# Altium PCB PCB_Incense.PcbDoc (part 3 of 3)
Units mil, origin at the board's own origin, x right, y up, seen from the top; angles counter-clockwise.
Board outline 5905.51 x 4960.63 mil, 2 copper layers (Top Layer, Bottom Layer), stack 61.89 mil thick; 323 components, 237 nets, 1107 pads, 546 vias.
Unrouted connection lines stored in the file: 3.
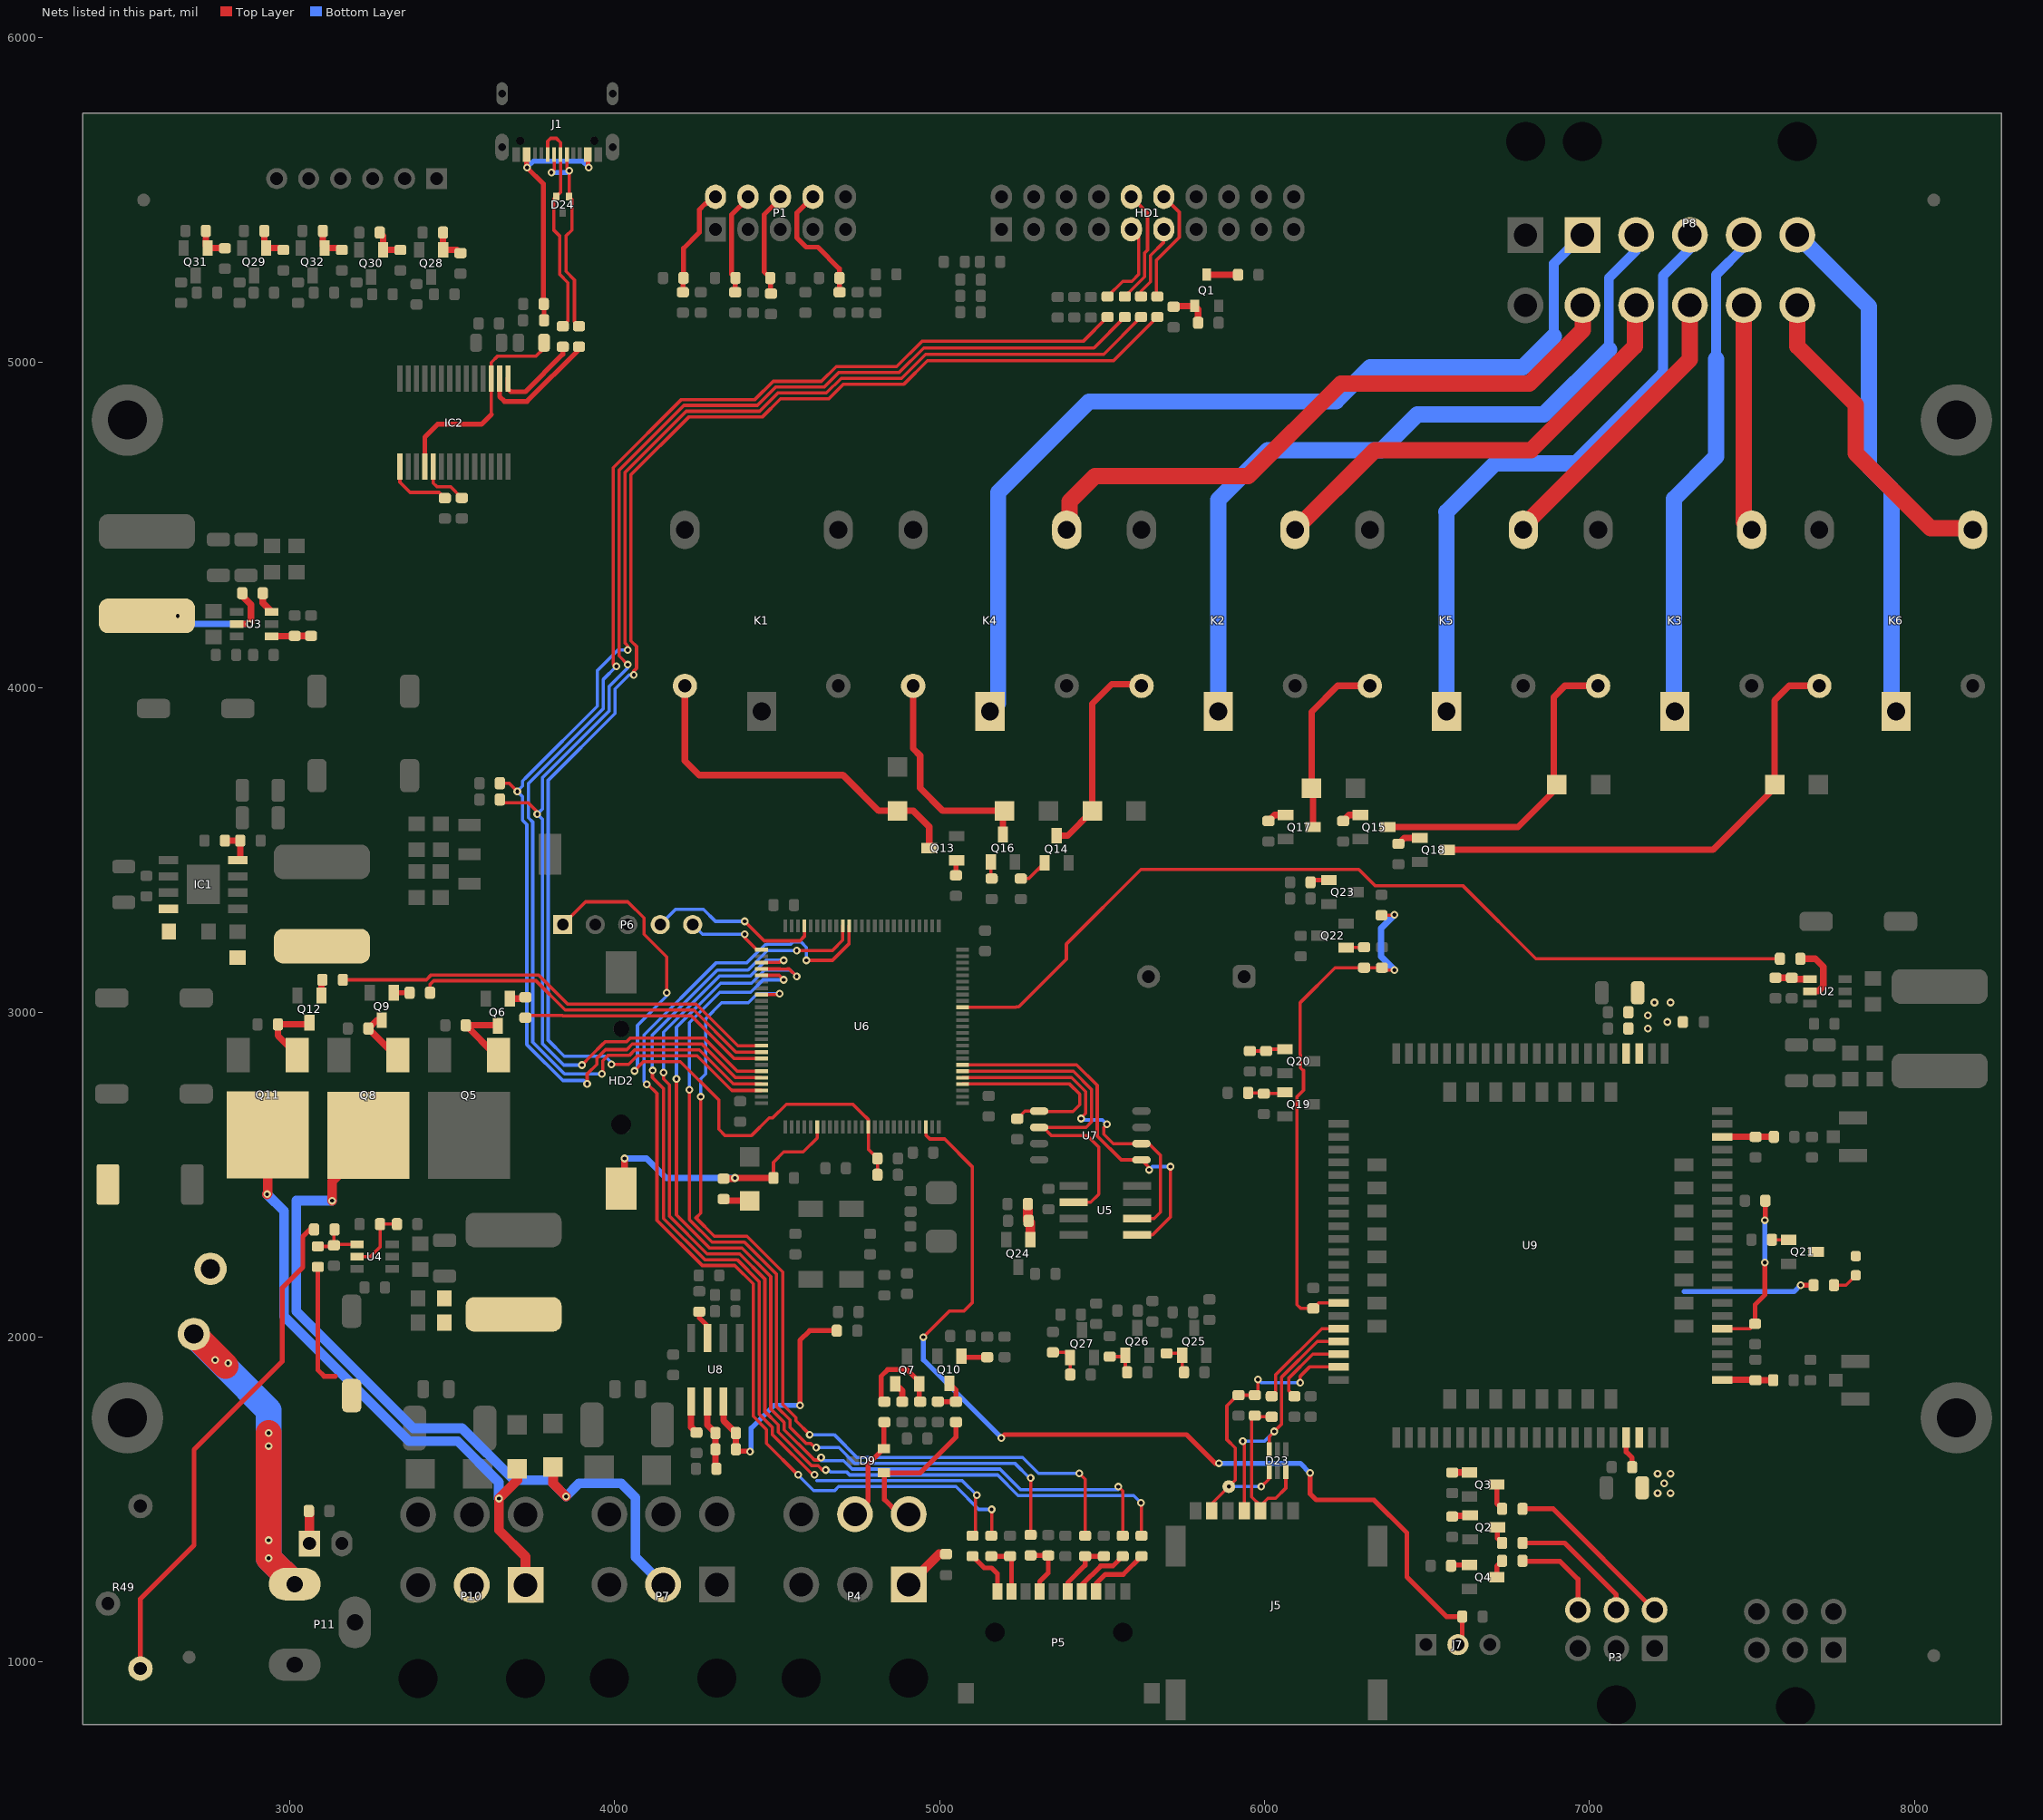
[diagram p3: the nets of this part, all layers, seen from the top]

## Via types
v1: diameter 24, hole 12, Top Layer to Bottom Layer, tented both sides, 546 vias

## Nets (pads, with @x,y where several pads share a name; then routed paths per layer and width w, separated by ;. In a path a pad name is that pad's centre, name@x,y a point inside that pad or via, vN(x,y) a via of type N, cw(c..) or ccw(c..) an arc to the next point about the centre after c; other vN are vias at no path point) (continued)
NetC83_1: C83.1 R124.2 R125.2 U8.7 | length 788
  Top Layer w15: C83.1@4372.99,1655 4378.37,1649.63 4414.43,1649.63 v1(4416.16,1647.91) ; v1(4570,1790) 4570,1990 4600,2020 R125.2@4683.51,2020
  Top Layer w20: U8.7@4335,1802.56 4335,1742.99 R124.2@4372.99,1705 C83.1@4372.99,1655
  Bottom Layer w15: v1(4416.16,1647.91) 4420,1651.75 4420,1720 4490,1790 v1(4570,1790)
NetC83_2: C83.2 R123.1 R124.1 U8.6 | length 219.2
  Top Layer w20: U8.6@4285,1802.56 4285,1730 R124.1@4310,1705 C83.2@4310,1655 4310,1597.99 R123.1@4312.99,1595
NetC89_1: C89.1 U3.6 | length 69
  Top Layer w20: C89.1@2916.5,4290 2916.5,4260.04 U3.6@2944.13,4232.4
NetC89_2: C89.2 L8.1 U3.2 | length 377.5
  Top Layer w20: U3.2@2835.87,4195 v1(2875,4195) 2880,4200 2880,4255 2853.51,4281.49 C89.2@2853.51,4290
  Bottom Layer w20: v1(2655,4220) 2680,4195 v1(2875,4195)
NetD1_1: D1.1 F1.2
NetD3_1: D3.1 R79.1 | length 100.9
  Top Layer w30: R79.1@3058.5,1465 cw(c3058.5,1463.5) 3060,1463.5 D3.1@3060,1365
NetD4_2: D4.2 R137.2 | length 82.1
  Top Layer w20: R137.2@4335,2425 4340,2420 D4.2@4415,2420
NetD13_1: D13.1 K1.5 Q13.3 | length 1132.9
  Top Layer w20: K1.5@4215.79,4004.68 4215.79,3774.21 4260,3730 4702.53,3730 4812.53,3620 D13.1@4870,3620 4918.99,3620 4967.99,3571.01 Q13.3@4967.99,3505
NetD14_1: D14.1 K2.5 Q14.3 | length 649.8
  Top Layer w20: Q14.3@5360,3544.02 5394.02,3544.02 D14.1@5470,3620 5470,3950 5530,4010 5615.98,4010 K2.5@5621.3,4004.68
NetD15_1: D15.1 K3.5 Q15.3 | length 1006
  Top Layer w20: Q15.3@6379.02,3570 6780,3570 6900,3690 D15.1@6900,3700 6890,3710 6890,3970 6924.69,4004.68 K3.5@7026.81,4004.68
NetD19_1: D19.1 K4.5 Q16.3 | length 687.6
  Top Layer w20: K4.5@4918.54,4004.68 4918.54,3811.46 4940,3790 4940,3690 5010,3620 D19.1@5200,3620 5195,3615 Q16.3@5195,3547.01
NetD20_1: D20.1 K5.5 Q17.3 | length 568.7
  Top Layer w20: Q17.3@6149.02,3570 6149.02,3685.98 D20.1@6145,3690 6145,3925 6224.69,4004.68 K5.5@6324.06,4004.68
NetD21_1: D21.1 K6.5 Q18.3 | length 1512.8
  Top Layer w20: Q18.3@6562.01,3500 7380,3500 7570,3690 D21.1@7570,3700 7570,3960 7614.69,4004.68 K6.5@7707.56,4004.68
NetD22_1: D22.1 R95.1 | length 79.6
  Top Layer w10: R95.1@7752.99,2160 7789.53,2160 D22.1@7820,2190.47
NetD22_2: D22.2 Q21.3
NetD23_3: D23.3 J5.C7 R97.2 R100.2 | length 512.2
  Top Layer w10: J5.C7@5987.64,1465.08 J5.C7@5987.64,1480.83 ; R100.2@6022.08,1754.98 5973.53,1754.98 R97.2@5970,1758.51 5960,1748.51 5960,1508.47 J5.C7@5987.64,1480.83 ; D23.3@6065.59,1584.57 6065.59,1535.59 6034.03,1504.03 6010.83,1504.03 J5.C7@5987.64,1480.83
NetF1_1: F1.1 P11.1 | length 1534.6
  Top Layer w80: F1.1@2704.41,2009.61 v1@2802.01,1912.01 ; v1(2935,1705) v1(2935,1375) v1(2935,1320) P11.1@3015,1240
  Bottom Layer w80: F1.1@2704.41,2009.61 2704.19,2009.39 2704.19,2005.81 2800,1910 2935,1775 v1(2935,1375) v1(2935,1320) P11.1@3015,1240
  other v1: 2935,1665 2810,1920 2770,1930
NetIC1_4: IC1.4 R1.1 R2.1 | length 109.8
  Top Layer w20: R2.1@2800.12,3528.31 R1.1@2847.12,3528.31 2847.12,3475.04 IC1.4@2840.39,3468.31
NetIC2_1: IC2.1 R17.2 | length 206.4
  Top Layer w10: IC2.1@3338.66,4679.14 3338.66,4631.34 3370,4600 3459.53,4600 R17.2@3477.05,4582.48
NetIC2_5: IC2.5 R24.2 | length 157.5
  Top Layer w10: IC2.5@3441.02,4679.14 3441.02,4628.98 3452,4618 3494.36,4618 R24.2@3529.32,4583.04
NetJ7_2: J7.2 R15.1 U6.23 | length 3092.6
  Top Layer w10: v1(4950,2000) 5031,2081 5075.09,2081 5100,2105.91 5100,2525 5015,2610 4970,2610 4957.68,2622.32 U6.23@4957.68,2646.61
  Top Layer w15: v1(5190,1690) 5200,1700 5760,1700 5848,1612 v1(5860,1612) ; v1(6140,1582) 6140,1518.5 6159.25,1499.25 6336.7,1499.25 6437.98,1397.98 6437.98,1262.02 6560,1140 R15.1@6608.5,1140 6608.5,1066.67 J7.2@6595.42,1053.58
  Bottom Layer w15: v1(4950,2000) 4950,1930 v1(5190,1690) ; v1(5860,1612) 6110,1612 v1(6140,1582)
NetL5_2: L5.2 P4.1 | length 154.1
  Top Layer w30: P4.1@4904.8,1238.5 4998.78,1332.48 L5.2@5020,1332.48
NetP3_4: P3.4 R39.1 | length 535.3
  Top Layer w15: R39.1@6794.25,1471.65 6888.35,1471.65 7199.44,1160.56 P3.4@7200.73,1160.56
NetP3_5: P3.5 R40.1 | length 401.2
  Top Layer w15: R40.1@6794.25,1366.65 6923.35,1366.65 7082.62,1207.38 P3.5@7082.62,1160.56
NetP3_6: P3.6 R41.1 | length 288.5
  Top Layer w15: R41.1@6794.25,1311.65 6795.91,1310 6910,1310 6964.51,1255.49 P3.6@6964.51,1160.56
NetQ1_1: Q1.1 R25.1 R26.1 | length 122
  Top Layer w20: R25.1@5720,5171.5 5722.48,5173.98 Q1.1@5784.65,5173.98 5795.55,5163.07 R26.1@5795.55,5122.2
NetQ1_3: Q1.3 R19.2 | length 96.6
  Top Layer w20: Q1.3@5822.05,5270.43 5822.48,5270 R19.2@5918.51,5270
NetQ2_1: Q2.1 R42.1 | length 57.5
  Top Layer w15: R42.1@6574.25,1451.65 R42.1@6577.75,1451.65
  Top Layer w20: R42.1@6577.75,1448.15 6579.5,1449.9 Q2.1@6631,1449.9
NetQ2_3: Q2.3 R40.2 | length 54
  Top Layer w15: Q2.3@6716.75,1414.65 6716.75,1381.16 R40.2@6731.26,1366.65
NetQ3_1: Q3.1 R43.1 | length 53.2
  Top Layer w20: R43.1@6577.75,1583.15 6578.26,1583.65 Q3.1@6630.76,1583.65
NetQ3_3: Q3.3 R39.2 | length 81.8
  Top Layer w15: Q3.3@6714.76,1546.65 6714.76,1488.15 R39.2@6731.26,1471.65
NetQ4_1: Q4.1 R44.1 | length 54.5
  Top Layer w15: R44.1@6576.25,1298.65 Q4.1@6630.76,1298.65
NetQ4_3: Q4.3 R41.2 | length 56.8
  Top Layer w15: Q4.3@6714.76,1261.65 6714.76,1295.16 R41.2@6731.26,1311.65
NetQ5_1: Q5.1 Q6.3 R45.2 | length 238.4
  Top Layer w20: Q6.3@3640,2957.99 3637.99,2960 R45.2@3541.49,2960 3633.78,2867.72 Q5.1@3642.28,2867.72
NetQ6_1: Q6.1 R50.1 | length 49.9
  Top Layer w20: Q6.1@3677,3041.99 3720.49,3041.99 R50.1@3725,3046.5
NetQ7_1: Q7.1 R52.2 | length 64.1
  Top Layer w20: Q7.1@4862.92,1856.65 4884.93,1834.65 R52.2@4884.93,1801.62
NetQ7_2: Q7.2 R54.2 R59.1 | length 286
  Top Layer w15: R59.1@4830,1801.5 4820,1811.5 4820,1880 4840,1900 4900.01,1900 4936.92,1863.09 Q7.2@4936.92,1856.65 4936.92,1804.57 R54.2@4940,1801.49
NetQ8_1: Q8.1 Q9.3 R57.2 | length 177.1
  Top Layer w20: Q9.3@3283,2976 3267.49,2976 R57.2@3241.49,2950 3323.78,2867.72 Q8.1@3332.28,2867.72
NetQ9_1: Q9.1 R61.1 | length 48.5
  Top Layer w15: Q9.1@3320,3060 R61.1@3368.5,3060
NetQ10_1: Q10.1 R56.2 | length 80.7
  Top Layer w15: Q10.1@5067,1941.99 5070.53,1938.45 R56.2@5146.22,1938.45
NetQ10_3: Q10.3 R58.2 R60.1 | length 120.3
  Top Layer w15: R58.2@4994.54,1801.62 5049.88,1801.62 R60.1@5050,1801.5 5050,1837.99 Q10.3@5030,1857.99
NetQ11_1: Q11.1 Q12.3 R62.2 | length 217.4
  Top Layer w20: Q11.1@3022.28,2868.78 2963.23,2927.84 R62.2@2963.23,2962.72 3054.73,2962.72 Q12.3@3060,2967.99
NetQ12_1: Q12.1 R63.1 | length 49.3
  Top Layer w20: Q12.1@3097,3051.99 3097,3097 R63.1@3100,3100
NetQ13_1: Q13.1 R76.1 | length 47.3
  Top Layer w15: R76.1@5050,3421.5 5050,3466.01 Q13.1@5051.99,3468
NetQ14_1: Q14.1 R77.1 | length 93.1
  Top Layer w10: R77.1@5250,3411.5 5274.48,3411.5 Q14.1@5323,3460.02
NetQ15_1: Q15.1 R78.1 | length 60.6
  Top Layer w20: R78.1@6242.01,3588.74 6260.27,3607 Q15.1@6295.02,3607
NetQ16_1: Q16.1 R87.1 | length 52.3
  Top Layer w10: Q16.1@5158,3463.01 5158,3413.5 R87.1@5160,3411.5
NetQ17_1: Q17.1 R88.1 | length 60.6
  Top Layer w20: R88.1@6012.01,3588.74 6030.27,3607 Q17.1@6065.02,3607
NetQ18_1: Q18.1 R89.1 | length 73.6
  Top Layer w20: R89.1@6412.01,3518.74 6430.27,3537 Q18.1@6478.01,3537
NetQ19_1: Q19.1 R91.1 R92.1 | length 117.8
  Top Layer w10: R91.1@5947.64,2749.77 R91.1@5949.56,2749.77 ; R91.1@5949.56,2752.19 5995.23,2752.19 R92.1@5997.64,2749.77 6058.73,2749.77 Q19.1@6062.76,2753.81
NetQ20_1: Q20.1 R93.1 R94.1 | length 110.3
  Top Layer w10: R93.1@5954.92,2880.87 R94.1@6004.92,2880.87 6010.42,2886.37 Q20.1@6062.93,2886.37
NetQ21_1: Q21.1 R96.1 | length 52
  Top Layer w10: R96.1@7561.5,2300 7613.2,2300 Q21.1@7613.4,2299.8
NetQ22_1: Q22.1 R101.2 | length 55.6
  Top Layer w10: Q22.1@6251.38,3198.74 6252.87,3200.23 R101.2@6306.38,3200.23
NetQ23_1: Q23.1 R104.2 | length 59.4
  Top Layer w15: R104.2@6141.49,3400 6148.49,3407 Q23.1@6198.01,3407
NetQ24_1: Q24.1 R116.1 R117.1 | length 113.1
  Top Layer w30: R116.1@5271.5,2410 5271.5,2360.01 R117.1@5273.5,2358.01 5279,2352.51 Q24.1@5279,2300
NetQ25_1: Q25.1 R10.1 R18.2 | length 105.6
  Top Layer w10: R10.1@5698.5,1950.25 5741.01,1950.25 Q25.1@5746.5,1944.76 5746.5,1897.26 R18.2@5752.01,1891.75
NetQ26_1: Q26.1 R11.1 R20.2 | length 105.2
  Top Layer w10: R11.1@5523.5,1940.25 5566.99,1940.25 Q26.1@5571.5,1944.76 5571.5,1897.26 R20.2@5577.01,1891.75
NetQ27_1: Q27.1 R23.1 R27.2 | length 112.6
  Top Layer w10: R23.1@5348.5,1953.24 5386.01,1953.24 Q27.1@5401.5,1937.75 5401.5,1885.25 R27.2@5402.01,1884.74
NetQ28_1: Q28.1 R31.1 R65.2 | length 110.6
  Top Layer w20: R65.2@3471.49,5400 3471.49,5347.5 Q28.1@3472,5346.99 3514.51,5346.99 R31.1@3525,5336.5
NetQ29_1: Q29.1 R64.1 R66.2 | length 110.6
  Top Layer w20: R66.2@2921.49,5405 2921.49,5357.5 Q29.1@2927,5351.99 2974.51,5351.99 R64.1@2980,5346.5
NetQ30_1: Q30.1 R69.1 R70.2 | length 110.6
  Top Layer w20: R70.2@3276.49,5400 3287,5389.49 Q30.1@3287,5346.99 3339.51,5346.99 R69.1@3340,5346.5
NetQ31_1: Q31.1 R71.1 R72.2 | length 108.5
  Top Layer w20: R72.2@2741.49,5405 2741.49,5357.5 Q31.1@2747,5351.99 2799.51,5351.99 R71.1@2800,5351.5
NetQ32_1: Q32.1 R74.1 R75.2 | length 110.6
  Top Layer w20: R75.2@3101.49,5405 3101.49,5357.5 Q32.1@3107,5351.99 3154.51,5351.99 R74.1@3160,5346.5
NetR3_1: R3.1 R4.1 U2.4 | length 107.6
  Top Layer w20: R3.1@7572.79,3106.1 R4.1@7622.79,3106.1 7626.89,3102.01 U2.4@7678.66,3102.01
NetR5_1: R5.1 U2.5 | length 188.6
  Top Layer w20: R5.1@7649.29,3164.61 7695.39,3164.61 7720,3140 7720,3080 7704.61,3064.61 U2.5@7678.66,3064.61
NetR5_2: R5.2 U6.41 | length 2833
  Top Layer w10: U6.41@5070.47,3015.32 5234.32,3015.32 5236.01,3017 5243.33,3017 5390,3163.67 5390,3210 5620,3440 6290,3440 6340,3390 6610,3390 6835.39,3164.61 R5.2@7586.3,3164.61
NetR46_1: R46.1 R51.1 U4.5 | length 205.3
  Top Layer w10: U4.5@3206.85,2247.99 3247.99,2247.99 3277.48,2277.48 R51.1@3277.48,2347.91 R46.1@3329.49,2347.91
NetR47_1: R47.1 R48.1 R53.1 U4.4 | length 172.5
  Top Layer w10: R47.1@3085.99,2279.41 3132.48,2279.41 R53.1@3135.99,2282.91 ; R48.1@3137.48,2331.41 3135.99,2329.91 R53.1@3135.99,2282.91 ; U4.4@3206.85,2285.39 3138.47,2285.39 R53.1@3135.99,2282.91
NetR48_2: R48.2 R49.2 | length 1580.5
  Top Layer w15: R49.2@2540,980 2540,1195 2705,1360 2705,1653.71 2977,1925.71 2977,2152 3040,2215 3040,2310 3061.41,2331.41 R48.2@3074.49,2331.41
NetR50_2: R50.2 U6.93 | length 783.7
  Top Layer w10: R50.2@3725,2983.51 3731.49,2990 3830,2990 3839.09,2990 3840.09,2989 4236,2989 4367.21,2857.79 4451.14,2857.79 U6.93@4451.18,2857.83
NetR61_2: R61.2 U6.92 | length 1141.2
  Top Layer w10: R61.2@3431.49,3060 3431.49,3086.04 3442.46,3097 3757.54,3097 3844.54,3010 3847.54,3007 4243.46,3007 4372.94,2877.52 U6.92@4451.18,2877.52
NetR63_2: R63.2 U6.91 | length 1384.6
  Top Layer w10: R63.2@3162.99,3100 3420,3100 3435,3115 3765,3115 3855,3025 4250.91,3025 4378.71,2897.2 U6.91@4451.18,2897.2
NetR122_1: R122.1 U8.3 | length 91.4
  Top Layer w15: R122.1@4260,2078.5 4260,2060 4285,2035 U8.3@4285,1997.44
NetR126_1: R126.1 U8.5 | length 102.9
  Top Layer w20: U8.5@4235,1802.56 4235,1722.99 R126.1@4251.49,1706.5
NetR129_1: R129.1 R130.1 U3.4 | length 121.2
  Top Layer w20: U3.4@2944.13,4157.6 3014.1,4157.6 R130.1@3015,4158.5 R129.1@3065,4158.5
NetR135_1: R135.1 U6.98 | length 4434.5
  Top Layer w10: v1(3990,2840) 4043.03,2840 4069.03,2866 4253.09,2866 4356.31,2762.78 4356.76,2762.78 4358.45,2761.09 4358.91,2761.09 4360.59,2759.41 U6.98@4451.18,2759.41 ; v1(4058.5,4038.27) 4058.5,4050.32 4067,4058.82 4067,4126.18 4050,4143.18 4050,4654.47 4227.51,4831.98 4453.81,4831.98 4509.82,4888 4658.91,4888 4704.33,4933.42 4890.25,4933.42 4962.25,5005.42 5535.43,5005.42 R135.1@5670,5140
  Bottom Layer w10: v1(3990,2840) 3990,2845 3970,2865 3844.29,2865 3795,2914.29 3795,3714.09 4001,3920.09 4001,3995.54 4043.73,4038.27 v1(4058.5,4038.27)
NetR136_1: R136.1 U6.97 | length 4456
  Top Layer w10: v1(3960,2810) 3965.91,2815.91 3963,2818.82 3963,2851.18 3978.82,2867 4044.57,2867 4061.57,2884 4260.54,2884 4363.76,2780.78 4364.22,2780.78 4365.91,2779.09 U6.97@4451.18,2779.09 ; v1(4005,4065) 4005,4063.15 4005.86,4062.29 4004.29,4060.71 3995,4070 3995,4675.84 4205.14,4885.98 4431.44,4885.98 4487.46,4942 4636.03,4942 4681.46,4987.42 4867.88,4987.42 4945.46,5065 5441.67,5065 R136.1@5516.67,5140
  Bottom Layer w10: v1(3960,2810) 3845.46,2810 3747.46,2907.99 3747.46,3585.64 3734.28,3598.82 3734.28,3621.19 3734.28,3704.28 3965,3935 3965,4025 v1(4005,4065)
RELAY1_1: K4.3 P8.6 | length 1966.1
  Top Layer w50: K4.3@5390.98,4485 5400,4494.02 5400,4572.01 5477.99,4650 5950,4650 6235,4935 6815,4935 6980,5100 6980,5174.65 P8.6@6978.58,5176.06
RELAY1_2: K4.1 P8.1 | length 2942.6
  Bottom Layer w30: 6890,5080 6890,5304.02 P8.1@6978.58,5392.6
  Bottom Layer w50: K4.1@5154.76,3925.94 5180,3951.18 5180,4600 5460,4880 6220,4880 6325,4985 6795,4985 6890,5080
RELAY2_1: K2.3 P8.7 | length 1408
  Top Layer w50: K2.3@6093.74,4485 6338.74,4730 6820,4730 7140,5050 7140,5172.13 P8.7@7143.94,5176.06
RELAY2_2: K2.1 P8.2 | length 2433
  Bottom Layer w30: 7060,5040 7060,5260 7143.94,5343.94 P8.2@7143.94,5392.6
  Bottom Layer w50: K2.1@5857.52,3925.94 5857.52,4577.52 6010,4730 6360,4730 6470,4840 6860,4840 7060,5040
RELAY3_1: K5.3 P8.8 | length 903.5
  Top Layer w50: K5.3@6796.5,4485 6796.5,4496.5 7309.29,5009.29 P8.8@7309.29,5176.06
RELAY3_2: K5.1 P8.3 | length 1923.6
  Bottom Layer w30: 7226.9,4956.9 7226.9,5266.9 7309.29,5349.29 P8.3@7309.29,5392.6
  Bottom Layer w50: K5.1@6560.28,3925.94 6560.28,4539.72 6560,4540 6710,4690 6960,4690 7226.9,4956.9
RELAY4_1: K3.3 P8.9 | length 701.3
  Top Layer w50: P8.9@7474.65,5176.06 7474.65,4509.61 K3.3@7499.25,4485
RELAY4_2: K3.1 P8.4 | length 1556.8
  Bottom Layer w30: 7390,5010 7390,5270 7474.65,5354.65 P8.4@7474.65,5392.6
  Bottom Layer w50: K3.1@7263.03,3925.94 7260,3928.98 7260,4580 7390,4710 7390,5010
RELAY5_1: K6.3 P8.10 | length 988
  Top Layer w50: P8.10@7640,5176.06 7640,5050 7820,4870 7820,4720 8050,4490 8175,4490 K6.3@8180,4485
RELAY5_2: K6.1 P8.5 | length 1592.5
  Bottom Layer w50: P8.5@7640,5392.6 7860,5172.6 7860,4680 7930,4610 7930,3939.72 K6.1@7943.78,3925.94
RF_4G: C57.1 R99.1 U9.82 | length 157.7
  Top Layer w20: U9.82@7408.66,1868.86 7509.79,1868.86 C57.1@7511.08,1867.56 7565.72,1867.56 R99.1@7565.79,1867.64
RF_AUX_4G: C59.1 R103.1 U9.59 | length 159.1
  Top Layer w20: U9.59@7408.66,2616.89 7504.61,2616.89 7504.72,2616.78 R103.1@7567.68,2616.78
ROW1: C31.2 P1.2 R35.2 | length 341.2
  Top Layer w15: R35.2@4209.71,5216.22 4209.71,5258.21 C31.2@4211.49,5260 4211.49,5351.49 4260,5400 4260,5470 4278.61,5488.61 4280.08,5488.61 4301.47,5510 P1.2@4310,5510
ROW2: C30.2 P1.4 R36.2 | length 320.2
  Top Layer w15: R36.2@4370.5,5216.22 C30.2@4370.5,5260.99 ; C30.2@4371.49,5260 C30.2@4370.5,5260.99 ; P1.4@4410,5510 4410,5505 4360,5455 4360,5271.49 C30.2@4370.5,5260.99
ROW3: C29.2 P1.6 R37.2 | length 327.3
  Top Layer w15: R37.2@4480.84,5212.05 4480,5212.9 4480,5258.51 C29.2@4478.51,5260 4460,5278.51 4460,5455 4510,5505 P1.6@4510,5510
ROW4: C28.2 P1.8 R38.2 | length 390.1
  Top Layer w15: P1.8@4610,5510 4560,5460 4560,5384.29 4589.29,5355 4625,5355 4691.49,5288.51 C28.2@4691.49,5260 4692.1,5259.4 R38.2@4692.1,5216.22
RST#: C70.2 P6.1 R110.2 U6.14 | length 1961.3
  Top Layer w10: P6.1@3840,3270 3910,3340 4040,3340 4090,3290 4090,3240 4160,3170 v1(4160,3060) ; v1(4060.5,2819.41) 4060.5,2820.5 4088,2848 4202,2848 4320,2730 4320,2640 4340,2620 4420,2620 4475,2675 4485.91,2675 4527.91,2717 4733,2717 4771.39,2678.61 4771.7,2678.61 4778.73,2671.58 4778.73,2671.27 4780.51,2669.49 U6.14@4780.51,2646.61 4781.42,2645.71 4781.42,2577.09 C70.2@4808.51,2550 R110.2@4808.51,2500
  Bottom Layer w10: v1(4060.5,2819.41) 4060.5,2820.5 4069.8,2829.8 4069.8,2959.8 4160,3050 v1(4160,3060)
SD_CARD_CLK: C72.1 P5.5 R111.2 | length 175.9
  Top Layer w15: R111.2@5280,1328.51 5280.61,1327.89 C72.1@5334.28,1327.89 5334.28,1274.28 5307.87,1247.87 P5.5@5307.87,1217.44
SD_CARD_CMD: P5.3 R107.2 R109.2 | length 188.4
  Top Layer w15: P5.3@5394.49,1217.44 5394.49,1244.49 5447.85,1297.85 R109.2@5447.85,1325.94 R107.2@5505.62,1325.94
SD_CARD_D0: P5.7 R108.2 R112.2 | length 168.2
  Top Layer w15: R112.2@5158.96,1325.94 R108.2@5216.74,1325.94 5221.26,1321.42 P5.7@5221.26,1217.44
SD_CARD_D1: P5.8 R113.2 | length 153.7
  Top Layer w15: R113.2@5101.18,1325.94 5137.12,1290 5160,1290 5177.95,1272.05 P5.8@5177.95,1217.44
SD_CARD_D2: P5.1 R114.2 | length 198.9
  Top Layer w15: P5.1@5481.1,1217.44 5481.1,1241.1 5510,1270 5565.24,1270 R114.2@5621.18,1325.94
SD_CARD_D3: P5.2 R115.2 | length 182.5
  Top Layer w15: P5.2@5437.8,1217.44 5437.8,1237.8 5495.69,1295.69 5533.15,1295.69 R115.2@5563.4,1325.94
SD_CLK: R111.1 U6.80 | length 2832.1
  Top Layer w10: v1(4230,2761.82) 4230,2361.82 4299.12,2292.7 4399.12,2292.7 4498.16,2193.66 4498.16,1786.19 4539.25,1745.1 4539.25,1722.56 4588.82,1673 4603.21,1673 4616.21,1660 v1(4620,1660) ; U6.80@4451.18,3113.74 4506.26,3113.74 v1(4520,3100) ; R111.1@5280,1391.5 v1(5280,1567)
  Bottom Layer w10: v1(4230,2761.82) 4230,2830 4230,2968.18 4323.64,3061.82 4418.18,3061.82 4456.37,3100 v1(4520,3100) ; v1(4620,1660) 4690,1660 4738,1612 5231.21,1612 5276.21,1567 v1(5280,1567)